# Altium PCB GPS_Tracking_V1_3.PcbDoc
Units mm, origin at the board's own origin, x right, y up, seen from the top; angles counter-clockwise.
Board outline 90.3 x 59.5 mm, 2 copper layers (Top Layer, Bottom Layer); 130 components, 95 nets, 435 pads, 268 vias.
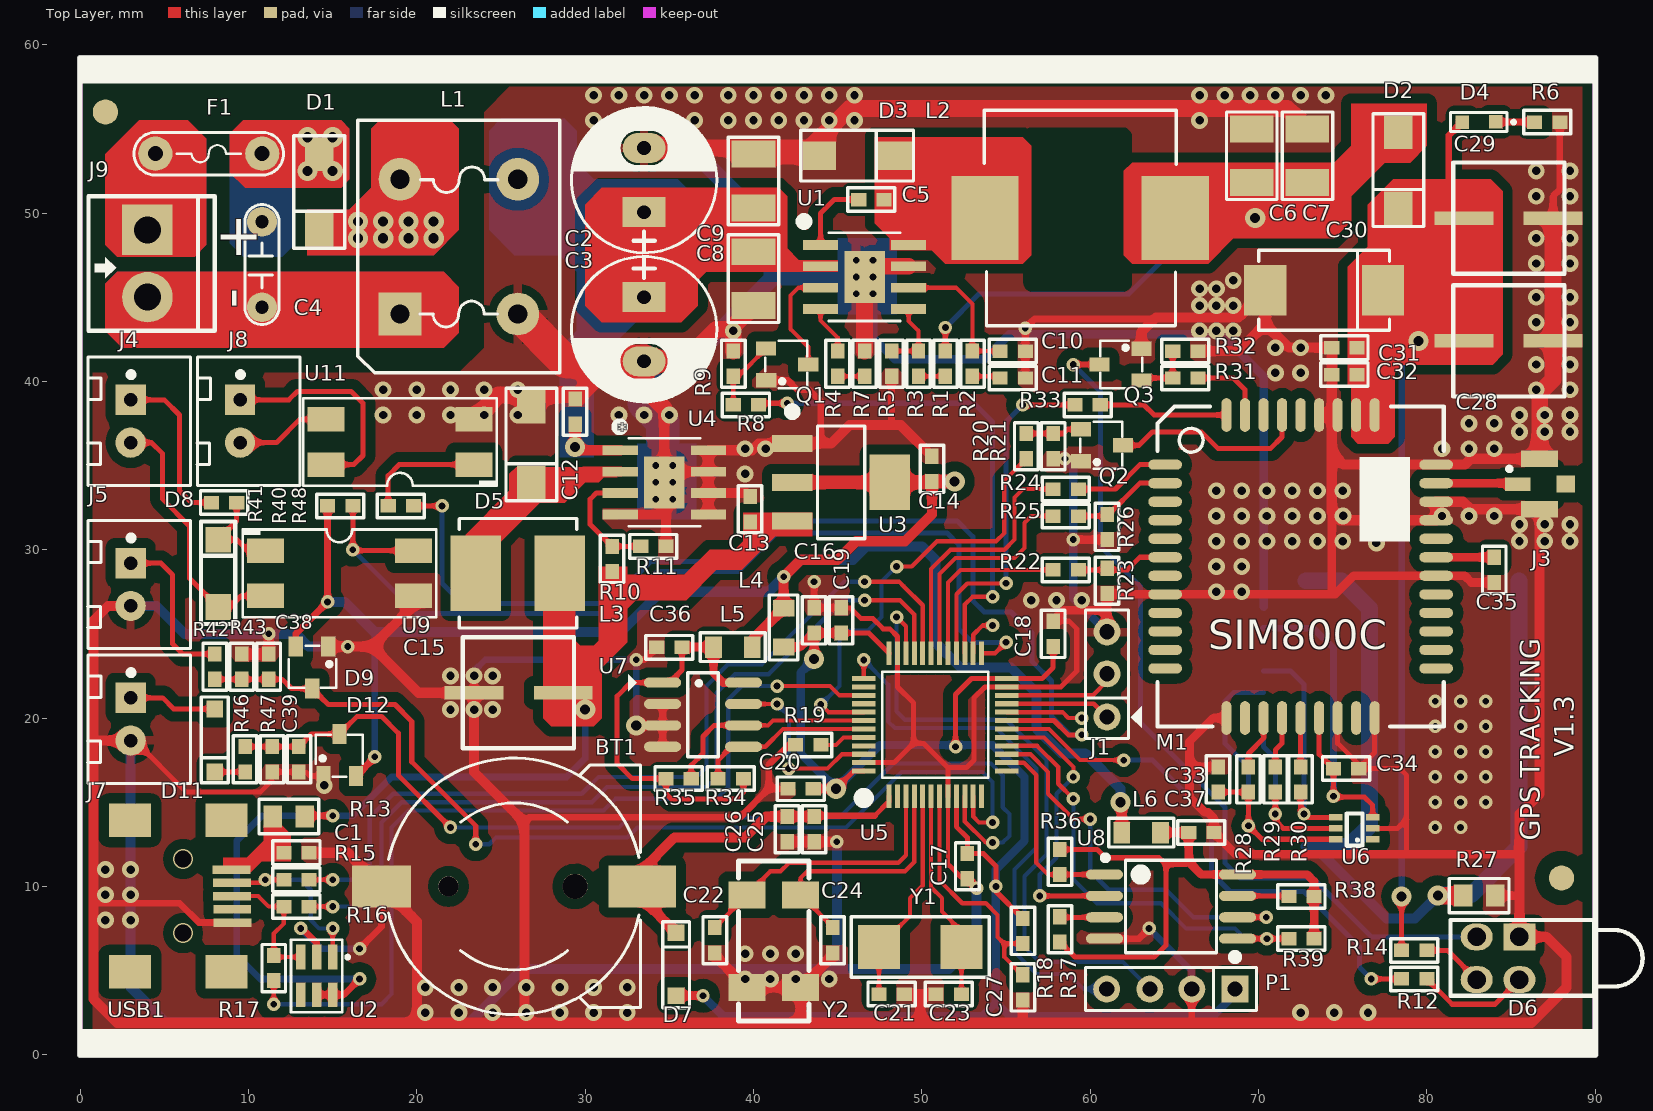
[diagram p0: Top Layer view]
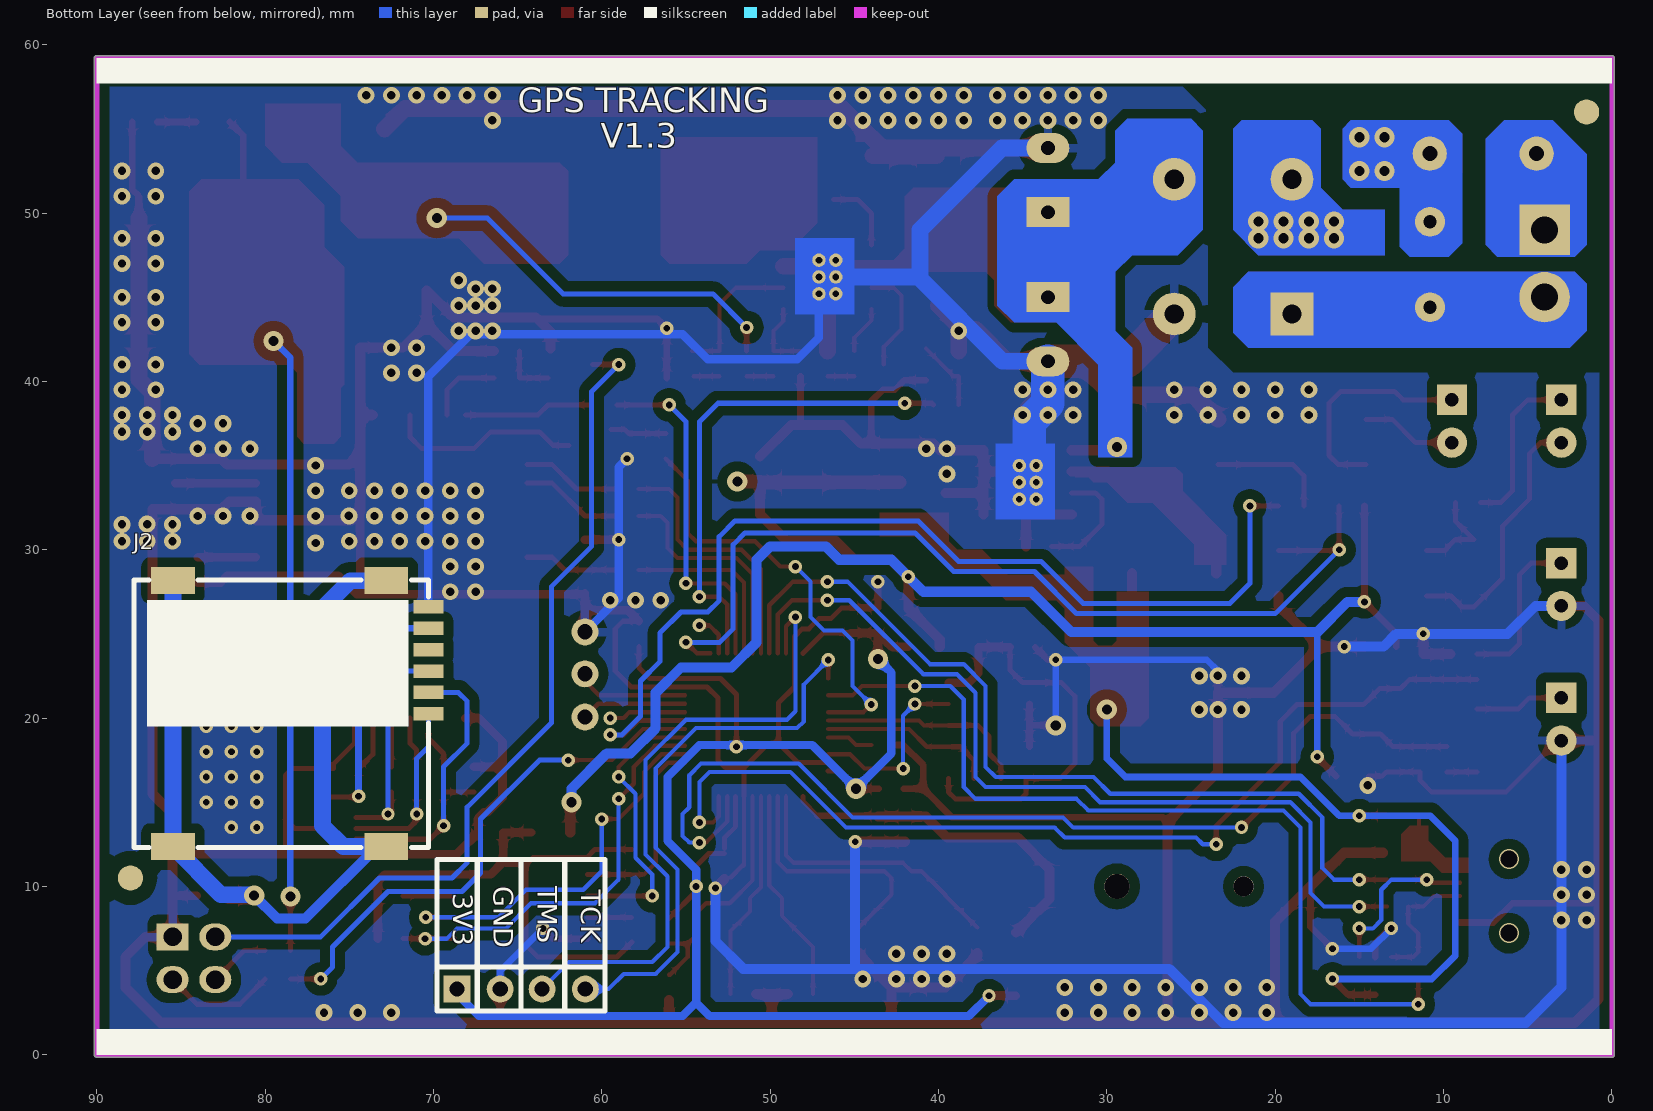
[diagram p1: Bottom Layer view, seen from below]

## Layer stack, top to bottom
Top Solder: solder mask 0.0102, Solder Resist, Dk 3.5
Top Layer: signal copper 0.0356
Dielectric 1: dielectric 0.32, FR-4, Dk 4.8
Bottom Layer: signal copper 0.0356
Bottom Solder: solder mask 0.0102, Solder Resist, Dk 3.5

## Board outline
0,-0.15 cw(c0,0) -0.15,0 -0.15,59.2 cw(c0,59.2) 0,59.35 90,59.35 cw(c90,59.2) 90.15,59.2 90.15,0 cw(c90,0) 90,-0.15

## Design rules (kind name [scope] priority, off if disabled: settings)
Clearance [All] p1: gap=0.2 ignorepadtopadclearanceinfootprint=FALSE except(0: Arc-Hole Track-Hole SMDPad-Hole THPad-Hole Via-Hole Fill-Hole Poly-Hole Region-Hole Text-Hole)
PolygonConnect [All] p1: connectstyle=Relief reliefconductorwidth=0.254 reliefentries=4 polygonreliefangle="45 Angle" airgapwidth=0.254
RoutingVias [All] p1: holewidth=0.4 width=0.8 viastyle="Through Hole" minholewidth=0.4 minwidth=0.8 maxholewidth=10 maxwidth=10
SolderMaskExpansion [All] p1: expansion=0.102
Width [All] p1: maxlimit=10 minlimit=0.2 preferedwidth=0.3
30 further rules are at their usual default settings.

## Classes and differential pairs
component class "[05] Data": C38 C39 D8 D9 D11 D12 J4 J5 J7 J8 R40 R41 R42 R43 R46 R47 R48 U9 U11
component class "[04] Eeprom_Flash": C36 C37 L5 L6 R34 R35 R36 R37 R38 R39 U7 U8
component class "[03] GSM_GPRS": C28 C29 C30 C31 C32 C33 C34 C35 J2 J3 M1 Q2 Q3 R20 R21 R22 R23 R24 R25 R26 R27 R28 R29 R30 R31 R32 R33 U6
component class "[02] MCU": BT1 C1 C16 C17 C18 C19 C20 C21 C22 C23 C24 C25 C26 C27 D6 D7 J1 L4 P1 R12 R13 R14 R15 R16 R17 R18 R19 U2 U5 USB1 Y1 Y2
component class "[01] Power Suppy": C2 C3 C4 C5 C6 C7 C8 C9 C10 C11 C12 C13 C14 C15 D1 D2 D3 D4 D5 F1 J9 L1 L2 L3 Q1 R1 R2 R3 R4 R5 R6 R7 R8 R9 R10 R11 U1 U3 U4

## Components (designator, comment, footprint, x,y, rotation, side; value= is the part's Value field where it differs from the comment)
BT1 "PIN 3V" "CR1220 socket" 33.4,10 r180 top
C1 "10uF" "C0603 SMT" 12.85,12 r180 top
C2 "100uF/100V" CP1.5/3.4 33.5,50.05 r90 top
C3 "100uF/100V" CP1.5/3.4 33.5,45 r270 top
C4 "5D330K 33V" CN2 10.8,44.4 r90 top
C5 "104" "C0603 SMT" 47,50.8 r0 top
C6 "47uF/10V" SM-1210 69.6,55 r270 top
C7 "47uF/10V" SM-1210 72.9,55 r270 top
C8 "2.2uF/100V" SM-1210 40,44.5 r90 top
C9 "2.2uF/100V" SM-1210 40,53.5 r270 top
C10 "39pF" "C0603 SMT" 55.4,41.8 r180 top
C11 "6800pF" "C0603 SMT" 55.4,40.2 r180 top
C12 "104" "C0603 SMT" 29.4,38.2 r270 top
C13 "10uF/16V" "C0603 SMT" 39.8,32.4 r270 top
C14 "10uF/16V" "C0603 SMT" 50.6,34.8 r270 top
C15 "100uF/16V" C_Alu_6.3x7.7 28.7,21.5 r270 top
C16 "1uF" "C0603 SMT" 43.6,25.8 r270 top
C17 "104" "C0603 SMT" 52.7,11.2 r90 top
C18 "104" "C0603 SMT" 57.8,25 r270 top
C19 "104" "C0603 SMT" 45.2,25.8 r270 top
C20 "104" "C0603 SMT" 42.8,15.8 r0 top
C21 "22pF" "C0603 SMT" 48.2,3.6 r0 top
C22 "10pF" "C0603 SMT" 37.7,6.8 r270 top
C23 "22pF" "C0603 SMT" 51.6,3.6 r180 top
C24 "10pF" "C0603 SMT" 44.7,6.8 r270 top
C25 "104" "C0603 SMT" 43.6,13.4 r90 top
C26 "1uF" "C0603 SMT" 42,13.4 r90 top
C27 "104" "C0603 SMT" 56,4 r270 top
C28 "470uF/6V3" C_Alu_6.3x7.7 82.2,42.4 r90 top
C29 "470uF/6V3" C_Alu_6.3x7.7 82.2,49.7 r90 top
C30 "100uF/16V" C_7343_40 77.4,45.4 r180 top
C31 "104" "C0603 SMT" 75.1,42 r180 top
C32 "10nF" "C0603 SMT" 75.1,40.4 r180 top
C33 "22pF" "C0603 SMT" 67.6,16.35 r90 top
C34 "104" "C0603 SMT" 75.2,17 r0 top
C35 "10uF/16V" "C0603 SMT" 84,28.8 r270 top
C36 "104" "C0603 SMT" 35,24.2 r0 top
C37 "104" "C0603 SMT" 66.6,13.2 r0 top
C38 "100pF" "C0603 SMT" 11.2,23.05 r270 top
C39 "100pF" "C0603 SMT" 13,17.55 r90 top
D1 "SS36" "DO-214AB SMA" 14.2,53.4 r270 top
D2 "SS34" "DO-214AB SMA" 78.3,54.7 r270 top
D3 "SS36" "DO-214AB SMA" 44,53.4 r0 top
D4 "PWR_4V" Led_0603_Green 82.1,55.4 r0 top
D5 "SS34" "DO-214AB SMA" 26.8,38.4 r270 top
D6 "LED3mm" "LED 2 holder 3mm" 85.5,7 r180 top
D7 "1N5819" SOD123 35.4,3.6 r90 top
D8 "4148" "DO-4148 SMD" 8.2,26.6 r90 top
D9 "DIODE-BAV99" SOT23 13.8,23 r180 top
D11 "1N5819" SOD123 8,20.45 r270 top
D12 "DIODE-BAV99" SOT23 15.4,17.8 r0 top
F1 "RKEF300HF-ND" FUSE2 4.467,53.524 r0 top
J1 "UART3" JP3 61,22.6 r90 top
J2 "SIM MICRO PUSH" "MicroSim 6P" 70.3,26.6 r270 bottom
J3 "SMT Connector U.FL Socket" Antenna-IPEX 86.7,33.9 r270 top
J4 "DATA IN 1" CON_2.54mm_2 3,38.9 r270 top
J5 "V_IN" CON_2.54mm_2 3,29.2 r270 top
J7 "V_IN" CON_2.54mm_2 3,21.2 r270 top
J8 "DATA OUT" CON_2.54mm_2 9.5,38.9 r270 top
J9 "VIN" Hed2V_3.96 4,49 r270 top
L1 "5mH 13x8x5MM" "L2 UF9.8" 19,44 r0 top
L2 "6.8uH 3A" "L01 SMD 12*12*6" 59.4,49.7 r0 top
L3 "100uH CD75" "L01 CD75" 26,28.6 r180 top
L4 "100uH" R0805 41.8,25.4 r270 top
L5 "100uH" R0805 38.8,24.2 r180 top
L6 "100uH" R0805 63,13.2 r0 top
M1 "SIM800C" SIM800C 72.5,29 r0 top
P1 "JTAG" JP1x4 68.6,3.9 r180 top
Q1 "C1815" SOT23B 42,41 r270 top
Q2 "C1815" SOT23B 60.7,36.2 r270 top
Q3 "C1815" SOT23B 61.8,41 r90 top
R1 "22K 1%" "R0603 -SMT" 51.4,41.1 r90 top
R2 "10K" "R0603 -SMT" 53,41.1 r90 top
R3 "22K 1%" "R0603 -SMT" 49.8,41 r270 top
R4 "100K" "R0603 -SMT" 45,41.1 r90 top
R5 "10K 1%" "R0603 -SMT" 48.2,41.1 r90 top
R6 "1K" "R0603 -SMT" 87.1,55.4 r180 top
R7 "62K" "R0603 -SMT" 46.6,41 r270 top
R8 "4.7K" "R0603 -SMT" 39.6,38.6 r0 top
R9 "47K" "R0603 -SMT" 38.8,41 r270 top
R10 "3K" "R0603 -SMT" 31.6,29.4 r270 top
R11 "1K" "R0603 -SMT" 34,30.2 r180 top
R12 "1K" "R0603 -SMT" 79.2,4.5 r180 top
R13 "0R" "R0805 SMT" 12.4,14.2 r180 top
R14 "1K" "R0603 -SMT" 79.2,6.2 r180 top
R15 "22R" "R0603 -SMT" 12.9,10.4 r0 top
R16 "22R" "R0603 -SMT" 12.9,8.8 r0 top
R17 "1.5K" "R0603 -SMT" 11.5,5.2 r90 top
R18 "10K" "R0603 -SMT" 56,7.4 r90 top
R19 "10K" "R0603 -SMT" 43.2,18.4 r180 top
R20 "1K" "R0603 -SMT" 56.2,36.2 r90 top
R21 "47K" "R0603 -SMT" 57.8,36.2 r90 top
R22 "1K" "R0603 -SMT" 58.6,28.8 r0 top
R23 "4K7" "R0603 -SMT" 61,28.2 r90 top
R24 "1K" "R0603 -SMT" 58.6,33.6 r0 top
R25 "1K" "R0603 -SMT" 58.6,32 r0 top
R26 "4K7" "R0603 -SMT" 61,31.4 r90 top
R27 "1K" "R0805 SMT" 83.1,9.4 r0 top
R28 "51R" "R0603 -SMT" 69.4,16.4 r90 top
R29 "51R" "R0603 -SMT" 71,16.4 r90 top
R30 "51R" "R0603 -SMT" 72.5,16.4 r90 top
R31 "1K" "R0603 -SMT" 65.6,40.2 r180 top
R32 "47K" "R0603 -SMT" 65.6,41.8 r180 top
R33 "1K" "R0603 -SMT" 59.8,38.6 r180 top
R34 "10K" "R0603 -SMT" 38.6,16.4 r180 top
R35 "10K" "R0603 -SMT" 35.6,16.4 r0 top
R36 "10K" "R0603 -SMT" 58.2,11.5 r90 top
R37 "10K" "R0603 -SMT" 58.2,7.4 r270 top
R38 "10K" "R0603 -SMT" 72.5,9.4 r180 top
R39 "10K" "R0603 -SMT" 72.5,6.9 r180 top
R40 "10K" "R0603 -SMT" 15.4,32.6 r180 top
R41 "1K" "R0603 -SMT" 8.6,32.8 r0 top
R42 "1K 1%" "R0603 -SMT" 8,23 r270 top
R43 "10K 1%" "R0603 -SMT" 9.6,23 r270 top
R46 "1K 1%" "R0603 -SMT" 9.8,17.6 r90 top
R47 "10K 1%" "R0603 -SMT" 11.4,17.6 r90 top
R48 "330R" "R0603 -SMT" 19,32.6 r180 top
U1 "TPS54360DDA" DDA8_3P1X2P4-M 46.6,46.2 r0 top
U2 "TPD4E001" "TPD4E001 DBV" 15,5.8 r270 top
U3 "TLV1117-33CDCYR" SOT223-4N 45.2,34 r0 top
U4 "XL7005E" DDA8_3P1X2P4-M 34.7,34 r0 top
U5 "STM32F101C8T6" LQFP48-B 50.8,19.6 r90 top
U6 "SMF05C" SOT_363_6 74.6,12.8 r180 top
U7 "AT24C256" SO-8 37,20.2 r0 top
U8 "W25Q32JVSSIQ" "SO-8 208" 64.8,8.8 r0 top
U9 "PC817" SOP-4-B 15.4,28.6 r0 top
U11 "PC817" SOP-4-B 19,36.4 r180 top
USB1 "USB_M" USB_B_MINI_SMD 9,11 r90 top
Y1 "8MHz" ABM7_v1_1_BIG 49.9,6.4 r0 top
Y2 "32.768kHz" "XT-SMD MC306" 39.6,9.5 r270 top

## Footprints (in the part's own frame and the unit in brackets; to place one, negate y for a bottom-side part, rotate by r counter-clockwise, add the part's x,y. Pads: shape width x height; smd on the part's side, far side on the other; paste and mask are expansions set on the pad)
ABM7_v1_1_BIG [mm]
  rect 2.5x2.6 smd: 1(-2.45,0) 2(2.45,0)
  silkscreen extent -4.1,-1.8 4.1,1.8, body extent -3.1,-1.85 3.1,1.85, height 1.45
Antenna-IPEX [mm] "Connector; RF Coaxial, MCB SM; 4 Position; Vertical, Body 3.1x3.0mm (LxW)"
  rect 1x1.1 smd: 0(0,1.55)
  rect 0.8x1.5 smd: 1(0,-1.3)
  rect 1x2.2 smd: 2(-1.5,0) 2(1.5,0)
  silkscreen extent -1.02,-1.92 -0.78,-1.67, body extent -1.5,-1.55 1.5,1.55, height 1.25
"C0603 SMT" [mm]
  rect 0.9x0.8 smd: 1(-0.75,0) 2(0.75,0)
  silkscreen extent -1.4,-0.7 1.4,0.7, body extent -0.8,-0.42 0.8,0.44, height 0.95
C_7343_40 [mm]
  rect 2.5x3 smd: 1(0,0) 2(7,0)
  silkscreen extent -0.38,-2.39 7.39,2.36, body extent -0.3,-2.3 7.3,2.3, height 4
C_Alu_6.3x7.7 [mm] "Cap Aluminum 100uF_35V"
  rect 0.8x3.5 smd: 1(0,0) 2(0,-5.3)
  silkscreen extent -3.3,-5.97 3.3,0.64, body extent -3.3,-6.17 3.3,0.83, height 3.91
CN2 [mil]
  round 70 hole 31: 1(0,0) 2(200,0)
  silkscreen extent -40,-40 240,40, body extent -54,-44 260,55, height 407
CON_2.54mm_2 [mm] "CON2"
  rect 1.8x1.8 hole 0.8: 1(0,0)
  round 1.8 hole 0.8: 2(2.54,0)
  silkscreen extent -2.54,-2.57 5.08,3.56, body extent -2.45,-2.2 5.05,3.55, height 7
CP1.5/3.4 [mil] "Tu hoa 220->470uF,16V, 470uF/16V,25V"
  rect 70x100 hole 32: 1(0,0)
  oval 70x100 hole 32: 2(150,0)
  silkscreen extent -95,-170 245,170, body extent -85,-157 230,157, height 446
"CR1220 socket" [mm] "Pin 3V CR1220"
  rect 4x2.5 smd: 1(0,0)
  rect 3.5x2.5 smd: 2(15.5,0)
  round 1.5 hole 1.5: ""(4,0)
  round 1.2 hole 1.2: ""(11.52,0)
  silkscreen extent 0.12,-7.62 15.07,7.62, body extent -1.9,-7.4 16.9,7.35, height 4.43
DDA8_3P1X2P4-M [mm]
  rect 2.083x0.584 smd: 1(-2.616,1.905) 2(-2.616,0.635) 3(-2.616,-0.635) 4(-2.616,-1.905) 5(2.616,-1.905) 6(2.616,-0.635) 7(2.616,0.635) 8(2.616,1.905)
  round 0.8 hole 0.4: 9(-0.5,-1) 9(-0.5,0) 9(-0.5,1) 9(0.5,-1) 9(0.5,0) 9(0.5,1)
  rect 2.4x3.1 smd: 9(0,0)
  silkscreen extent -2.12,-2.62 2.12,2.62, body extent -3.1,-2.49 3.1,2.49, height 1.68
"DO-214AB SMA" [mm]
  rect 2x1.7 smd: 1(-0.092,0) 2(4.408,0)
  silkscreen extent -1.2,-1.5 5.5,1.51, body extent -0.37,-1.35 4.63,1.35, height 2.28
"DO-4148 SMD" [mil] "1N4148 SMD"
  rect 60x60 smd: 1(0,0) 2(157.48,0)
  silkscreen extent -40,-40 200,40, body extent 9,-28 147,30, height 56
FUSE2 [mil] "Fuse"
  round 80 hole 35: 1(0,0) 2(250,0)
  silkscreen extent -50,-50 300,50
Hed2V_3.96 [mm]
  rect 3x3 hole 1.6 mask+0.102: 1(0,0)
  round 3 hole 1.6 mask+0.102: 2(4,0)
  silkscreen extent -2,-3.5 6,4
JP1x4 [mm] "Jumper 4"
  rect 1.6x1.6 hole 0.9: 1(0,0)
  round 1.6 hole 0.9: 2(2.565,0) 3(5.055,0) 4(7.62,0)
  silkscreen extent -1.27,-2.03 8.89,1.27, body extent -1.22,-1.23 8.84,1.27, height 8.22
JP3 [mm] "Jumper 3"
  round 1.6 hole 0.914: 1(-2.54,0) 2(0.025,0) 3(2.515,0)
  silkscreen extent -3.81,-2.06 3.81,1.27, body extent -3.81,-1.52 3.81,1.4, height 9.02
"L01 CD75" [mm] "Chip Inductor SMD Vishay"
  rect 3x4.5 smd: 1(-2.5,0) 2(2.5,0)
  silkscreen extent -3.51,-3.25 3.48,3.25
"L01 SMD 12*12*6" [mm] "Chip Inductor, 12*12*6"
  rect 4x5 smd: 1(-5.65,0) 2(5.65,0)
  silkscreen extent -5.69,-6.4 5.71,6.4, body extent -6.9,-6.4 6.9,6.4, height 7.5
"L2 UF9.8" [mm] "Loc UF 9.8 10mH"
  rect 2.54x2.54 hole 1.143: 1(0,0)
  round 2.54 hole 1.143: 2(7,0) 3(7,8) 4(0,8)
  silkscreen extent -2.5,-3.5 9.5,11.5
"LED 2 holder 3mm" [mm]
  rect 1.9x1.6 hole 1.1: 1(0,0)
  oval 1.9x1.6 hole 1.1: 2(0,2.54) 3(2.54,0) 4(2.54,2.54)
  silkscreen extent -7.32,-1 4.1,3.5, body extent -7.28,-0.9 3.72,3.42, height 9.65
Led_0603_Green [mm]
  rect 0.8x0.8 smd: 1(0,0) 2(1.991,0.013)
  silkscreen extent -0.69,-0.56 3.15,0.56, body extent 0.21,-0.4 1.83,0.4, height 1.1
LQFP48-B [mm]
  rect 1.4x0.3 smd: 1(-4.25,2.75) 2(-4.25,2.25) 3(-4.25,1.75) 4(-4.25,1.25) 5(-4.25,0.75) 6(-4.25,0.25) 7(-4.25,-0.25) 8(-4.25,-0.75) 9(-4.25,-1.25) 10(-4.25,-1.75) 11(-4.25,-2.25) 12(-4.25,-2.75) 25(4.25,-2.75) 26(4.25,-2.25) 27(4.25,-1.75) 28(4.25,-1.25) 29(4.25,-0.75) 30(4.25,-0.25) 31(4.25,0.25) 32(4.25,0.75) 33(4.25,1.25) 34(4.25,1.75) 35(4.25,2.25) 36(4.25,2.75)
  rect 0.3x1.4 smd: 13(-2.75,-4.25) 14(-2.25,-4.25) 15(-1.75,-4.25) 16(-1.25,-4.25) 17(-0.75,-4.25) 18(-0.25,-4.25) 19(0.25,-4.25) 20(0.75,-4.25) 21(1.25,-4.25) 22(1.75,-4.25) 23(2.25,-4.25) 24(2.75,-4.25) 37(2.75,4.25) 38(2.25,4.25) 39(1.75,4.25) 40(1.25,4.25) 41(0.75,4.25) 42(0.25,4.25) 43(-0.25,4.25) 44(-0.75,4.25) 45(-1.25,4.25) 46(-1.75,4.25) 47(-2.25,4.25) 48(-2.75,4.25)
  silkscreen extent -4.65,-3.15 3.15,4.55, body extent -4.5,-4.5 4.5,4.5, height 1.6
"MicroSim 6P" [mm] "Socket MicroSIM 6P PUSH SKM01"
  rect 0.8x1.8 smd: 1(0,0) 2(1.27,0) 3(2.54,0) 4(3.81,0) 5(5.08,0) 6(6.35,0)
  rect 1.6x2.6 smd: 7(-1.56,-15.18) 7(-1.56,-2.5) 7(14.24,-15.18) 7(14.24,-2.5)
  silkscreen extent -1.6,-17.5 14.3,0
"R0603 -SMT" [mm]
  rect 0.9x0.8 smd: 1(-0.8,0) 2(0.7,0)
  silkscreen extent -1.45,-0.7 1.35,0.7, body extent -0.85,-0.4 0.85,0.4, height 0.56
R0805 [mm]
  rect 1x1.27 smd: 1(-1.125,-0.011) 2(1.175,-0.011)
  silkscreen extent -1.91,-0.86 1.96,0.84, body extent -1.1,-0.69 1.2,0.66, height 0.76
"R0805 SMT" [mm]
  rect 1.1x1.3 smd: 1(-0.95,0.05) 2(0.95,0.05)
  silkscreen extent -1.78,-0.97 1.78,1.07, body extent -1.1,-0.65 1.2,0.7, height 0.76
SIM800C [mm]
  oval 2x0.6 smd: 1(-8.05,6.05) 2(-8.05,4.95) 3(-8.05,3.85) 4(-8.05,2.75) 5(-8.05,1.65) 6(-8.05,0.55) 7(-8.05,-0.55) 8(-8.05,-1.65) 9(-8.05,-2.75) 10(-8.05,-3.85) 11(-8.05,-4.95) 12(-8.05,-6.05) 22(8.05,-6.05) 23(8.05,-4.95) 24(8.05,-3.85) 25(8.05,-2.75) 26(8.05,-1.65) 27(8.05,-0.55) 28(8.05,0.55) 29(8.05,1.65) 30(8.05,2.75) 31(8.05,3.85) 32(8.05,4.95) 33(8.05,6.05)
  oval 0.6x2 smd: 13(-4.4,-9) 14(-3.3,-9) 15(-2.2,-9) 16(-1.1,-9) 17(0,-9) 18(1.1,-9) 19(2.2,-9) 20(3.3,-9) 21(4.4,-9) 34(4.4,9) 35(3.3,9) 36(2.2,9) 37(1.1,9) 38(0,9) 39(-1.1,9) 40(-2.2,9) 41(-3.3,9) 42(-4.4,9)
  silkscreen extent -8.5,-9.5 8.5,9.5, body extent -7.85,-8.8 7.85,8.8, height 1.9
SM-1210 [mm] "Chip Capacitor, 2-Leads, Body 3.20x2.50mm"
  rect 1.6x2.6 smd: 1(0,0) 2(3.2,0)
  silkscreen extent -1,-1.5 4.2,1.5, body extent 0,-1.25 3.2,1.25, height 2.5
SO-8 [mm] "8-Pin Small Outline Integrated Circuit 1.27 mm Pitch, IPC Medium Density"
  oval 2.2x0.6 smd: 1(-2.4,1.905) 2(-2.4,0.635) 3(-2.4,-0.635) 4(-2.4,-1.905) 5(2.4,-1.905) 6(2.4,-0.635) 7(2.4,0.635) 8(2.4,1.905)
  silkscreen extent -4.44,-2.5 0.9,2.5, body extent -2.89,-2.43 3.15,2.59, height 1.6
"SO-8 208" [mm] "8-SOIC (0.209\", 5.30mm Width)"
  oval 2.2x0.6 smd: 1(-3.95,1.905) 2(-3.95,0.635) 3(-3.95,-0.635) 4(-3.95,-1.905) 5(3.95,-1.905) 6(3.95,-0.635) 7(3.95,0.635) 8(3.95,1.905)
  silkscreen extent -4.02,-2.75 2.7,3.02, body extent -4.1,-2.7 4.1,2.7, height 2.2
SOD123 [mm] "1N5819 SOD123"
  rect 1x1 smd: 1(-0.092,0) 2(3.65,0)
  silkscreen extent -0.8,-0.8 4.3,0.8, body extent -0.05,-0.8 3.65,0.8, height 1.27
SOP-4-B [mm]
  rect 2.2x1.45 smd: 1(-4.4,1.345) 2(-4.4,-1.345) 3(4.4,-1.345) 4(4.4,1.345)
  silkscreen extent -5.75,-2.6 5.75,2.6, body extent -5.02,-2.35 5.02,2.35, height 3.68
SOT23 [mm] "SOT 23 _ 1-3-2"
  rect 0.85x1.2 smd: 1(-0.94,-1.245) 2(0.985,-1.25) 3(0.005,1.25)
  silkscreen extent -1.4,-1.3 1.4,1.2, body extent -1.5,-1.25 1.5,1.25, height 1.06
SOT23B [mm] "SOT 23B"
  rect 0.85x1.2 smd: 1(0.94,-1.245) 2(0,1.25) 3(-0.95,-1.25)
  silkscreen extent -1.4,-1.3 1.4,1.2, body extent -1.5,-1.3 1.5,1.2, height 1.06
SOT223-4N [mm] "SOT223, 4-Leads, Body 6.5x3.5mm, Pitch 2.3mm, Lead Span 7mm, IPC Medium Density"
  rect 2.4x1 smd: 1(-2.9,2.3) 2(-2.9,0) 3(-2.9,-2.3)
  rect 2.4x3.3 smd: 4(2.9,0)
  silkscreen extent -3.15,-3.35 1.4,4.45, body extent -3.39,-3.27 3.5,3.23, height 1.72
SOT_363_6 [mm]
  rect 0.8x0.4 smd: 1(-2.179,0) 2(-2.179,-0.65) 3(-2.179,-1.3) 4(0,-1.3) 5(0,-0.65) 6(0,0)
  silkscreen extent -1.57,-1.52 -0.63,0.38, body extent -2.29,-1.76 0.11,0.44, height 1.1
"TPD4E001 DBV" [mil]
  rect 58x22 smd: 1(0,0) 2(0,-37.4) 3(0,-74.8) 4(88,-74.8) 5(88,-37.4) 6(88,0)
  silkscreen extent -41,-97 129,38, body extent -11,-97 101,18, height 41
USB_B_MINI_SMD [mm]
  rect 2x2.5 smd: 0(-6.075,0.305) 0(-6.071,6.045) 0(2.925,0.305) 0(2.929,6.045)
  rect 0.5x2.25 smd: 1(0,0) 2(-0.787,-0.013) 3(-1.575,-0.025) 4(-2.362,-0.038) 5(-3.15,-0.051)
  body extent -6.92,-0.37 3.78,8.83, height 3.95
"XT-SMD MC306" [mm] "Crystal SMD MC306"
  rect 1.6x2.2 smd: 1(0,0) 2(5.5,0) 3(5.5,3.2) 4(0,3.2)
  silkscreen extent -2,-0.5 7.5,3.7

## Part data
BT1: "Battery 3VDC"
C1 C5 C10 C11 C12 C13 C14 C16 C17 C18 C19 C20 C21 C22 C23 C24 C25 C26 C27 C31 C32 C33 C34 C35 C36 C37 C38 C39: library part CM, "Cap SMD"
C2 C3: library part CP4, "Cap 1000uF/16V - 220uF/50V"
C4: library part CN
C6: library part CM, "CAP CER 47UF 10V X5R 1210"
C7: library part CM, "CAP CER 47UF 10V X5R 1210 1276-3380-2-ND"
C8 C9: library part CM, "CAP CER 2.2UF 100V X7R 1210  445-4498-2-ND"
C15: library part C-Alu-Tantalum, "Cap Aluminum, Tantalum 7343"
C28 C29: library part C-Alu-Tantalum, "Cap Aluminum"
C30: library part C-Alu-Tantalum, "Cap Tantalum 7343"
D1 D3: library part D5A, "DIODE SCHOTTKY 60V 3A SMA"
D2 D5: library part D1A, "DIODE SCHOTTKY 40V 3A SMC"
D4: library part LED, "LED 0603 RED"
D6: library part LED2Holder_3, "LED 2 holder RGB 3mm"
D7 D8 D11: library part D1A, "Diode 1A"
D9 D12: "ZENER, SOT23,"
F1: library part Fuse, "PTC RESET FUSE 60V 3A RADIAL"
J1: library part JP3, "Jumper 3"
J3: library part ANTEN
J4 J5 J7 J8: library part Con2, "Connector 2"
J9: library part Hed2, "Header 2 (Green)"
L1: library part L2x220
L2: library part L1, "6.8uH 3A 12x12x7MM"
L3: library part L1
L4 L5 L6: library part "Ferrite Bead", "100uH 0805"
P1: library part JP4
Q1 Q2 Q3: "NPN 600mW, ECB"
R1 R2 R3 R4 R5 R6 R7 R8 R9 R10 R11 R12 R13 R14 R15 R16 R17 R18 R19 R20 R21 R22 R23 R24 R25 R26 R27 R28 R29 R30 R31 R32 R33 R34 R35 R36 R37 R38 R39 R40 R41 R42 R43 R46 R47 R48: library part RM, "Resistor SMD"
U1: "REG BUCK SPLIT RAIL 8SOPWRPAD"
U3: library part LM1117, "3v3"
U4: library part XL7005, "REG BUCK SPLIT RAIL 8SOPWRPAD"
U5: "STM32 ARM-based 32-bit MCU with 32 Kbytes Flash, 48-pin LQFP, Industrial Temperature"
U6: "ESD Protection"
U7: library part AT24Cxx
U8: library part W25Q32JV, "FLASH 32MBIT 133MHZ 8SOP"
U9 U11: "Single Opto"
Y1: library part ABM7-16.000MHZ-D2Y-T, "CRYSTAL 16MHZ 18PF SMD"
Y2: library part XT4_SMD_MC306, "Crystal SMD 6035 - 4 Pads"

## Free pads (board coordinates)
  round 1.5 smd: 0(88,10.5) 1(1.5,56)
  round 1.5 smd far side: 0(88,10.5) 1(1.5,56)

## Via types
v1: diameter 1, hole 0.5, Top Layer to Bottom Layer, tented both sides, 164 vias
v2: diameter 0.8, hole 0.4, Top Layer to Bottom Layer, tented both sides, 76 vias
v3: diameter 1.2, hole 0.6, Top Layer to Bottom Layer, tented both sides, 19 vias
v4: diameter 1.2, hole 0.6, Top Layer to Bottom Layer, 4 vias
v5: diameter 0.8, hole 0.4, Top Layer to Bottom Layer, 3 vias
v6: diameter 1.2, hole 1, Top Layer to Bottom Layer, 2 vias
